# Altium PCB PCB.PcbDoc (part 2 of 2) (continued)
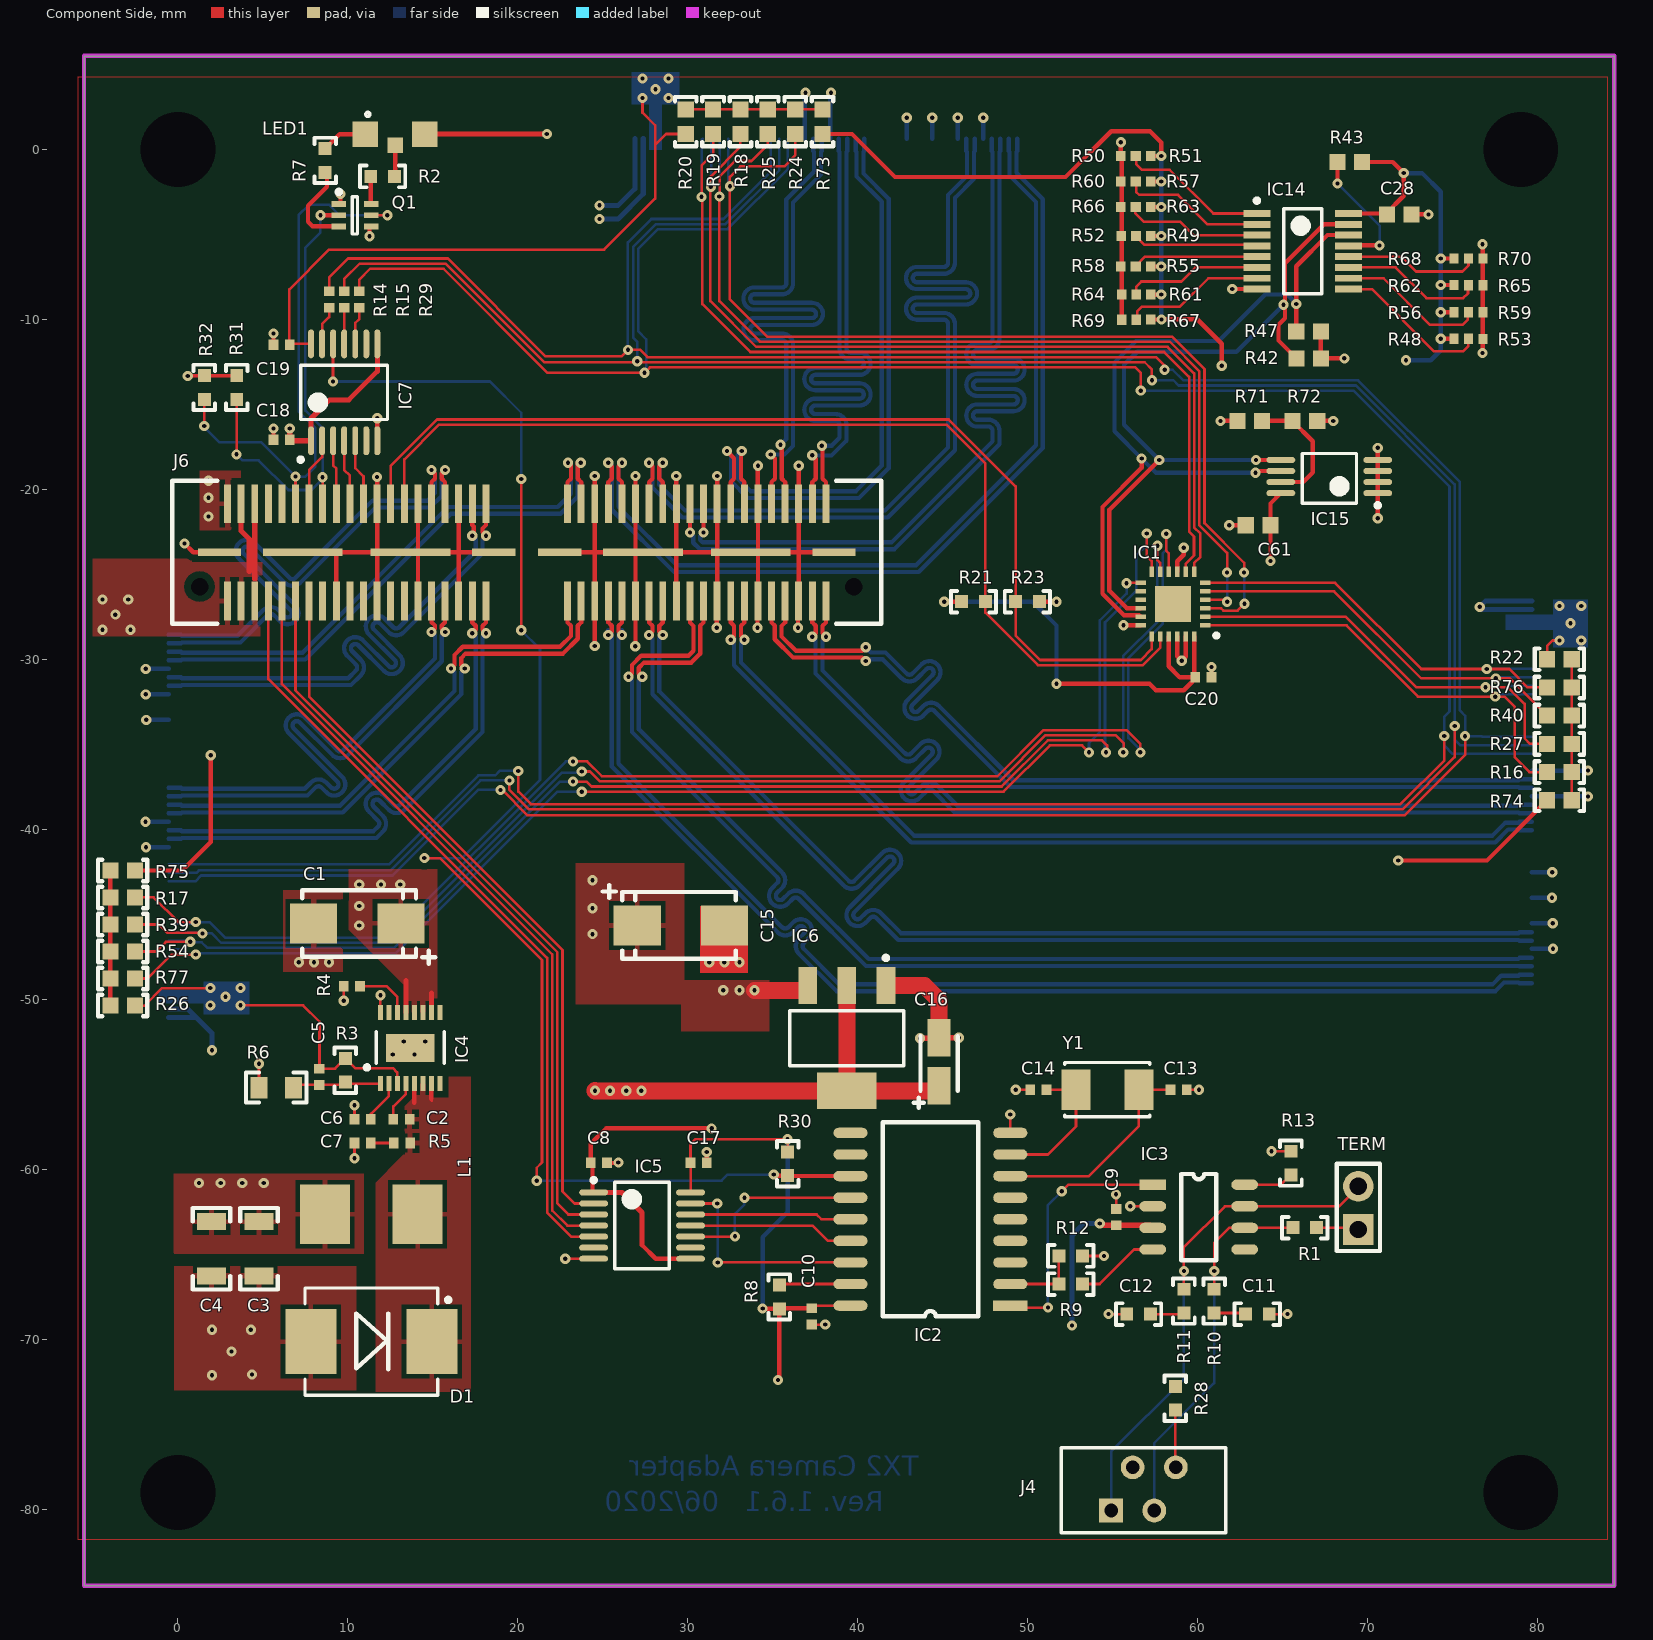
[diagram p0: Component Side view]
## Nets (pads, with @x,y where several pads share a name; then routed paths per layer and width w, separated by ;. In a path a pad name is that pad's centre, name@x,y a point inside that pad or via, vN(x,y) a via of type N, cw(c..) or ccw(c..) an arc to the next point about the centre after c; other vN are vias at no path point) (continued)
  Component Side w0.152: IC14.11@68.871,-6.934 71.63,-6.934 73.438,-8.742 75.609,-8.742 75.891,-8.46 R65.1@75.891,-7.966
P7: IC14.12 R68.1 R70.1 | length 8
  Component Side w0.152: IC14.12@68.871,-6.299 71.967,-6.299 72.839,-7.171 75.563,-7.171 75.921,-6.813 R70.1@75.921,-6.407
RXCAN: IC2.2 R9.1 R12.2 | length 4.5
  Component Side w0.152: IC2.2@48.964,-66.739 R9.1@51.821,-66.739 R12.2@51.821,-65.088
SPI2_CLK_1V8: IC5.5 J6.73 | length 46.1
  Component Side w0.152: J6.73@5.316,-26.556 5.316,-31.151 21.717,-47.552 21.717,-62.538 23.129,-63.95 IC5.5@24.455,-63.95
SPI2_CS0_1V8: IC5.2 J6.67 | length 43
  Component Side w0.152: J6.67@7.716,-26.556 7.716,-32.189 22.623,-47.096 22.623,-61.285 23.338,-62 IC5.2@24.455,-62
SPI2_CS1_1V8: J6.65
SPI2_MISO_1V8: IC5.4 J6.71 | length 45.2
  Component Side w0.152: J6.71@6.116,-26.556 6.116,-31.443 22.019,-47.346 22.019,-62.413 22.906,-63.3 IC5.4@24.455,-63.3
SPI2_MOSI_1V8: IC5.3 J6.69 | length 44.2
  Component Side w0.152: J6.69@6.916,-26.556 6.916,-31.816 22.321,-47.221 22.321,-61.999 22.972,-62.65 IC5.3@24.455,-62.65
SPI_CS_3V3: IC2.16 IC5.13 | length 12.8
  Component Side w0.152: IC5.13@30.155,-62 v1(31.72,-62) ; v1(31.76,-65.469) IC2.16@39.566,-65.469
  Solder Side w0.152: v1(31.76,-65.469) v1@31.76,-62.04
SPI_INT_1V8: IC7.3 J6.64 | length 3.8
  Component Side w0.152: IC7.3@9.129,-17.128 9.129,-18.581 9.316,-18.768 J6.64@9.316,-20.826
SPI_INT_3V3: IC2.12 IC7.12 R30.1 | length 86.1
  Component Side w0.152: v1(9.119,-13.643) 9.119,-11.438 IC7.12@9.129,-11.428 ; v1(14.496,-41.682) 15.42,-41.682 21.415,-47.677 21.415,-59.592 21.107,-59.899 v1(21.107,-60.658) ; v1(20.196,-28.282) v1(20.196,-19.382)
  Component Side w0.254: v1(35.052,-60.303) 34.989,-60.366 R30.1@35.865,-60.366 35.888,-60.389 IC2.12@39.566,-60.389
  Solder Side w0.152: v1(9.119,-13.643) 18.357,-13.643 20.196,-15.482 v1(20.196,-19.382) ; v1(14.496,-41.682) 16.7,-41.682 21.296,-37.086 21.296,-29.382 v1(20.196,-28.282) ; v1(21.107,-60.658) 31.986,-60.658 32.341,-60.303 v1(35.052,-60.303)
SPI_MISO_3V3: IC2.15 IC5.11 | length 9.8
  Component Side w0.152: IC5.11@30.155,-63.3 37.338,-63.3 38.237,-64.199 IC2.15@39.566,-64.199
SPI_MOSI_3V3: IC2.14 IC5.12 | length 9.5
  Component Side w0.152: IC5.12@30.155,-62.65 37.577,-62.65 37.856,-62.929 IC2.14@39.566,-62.929
SPI_SCK_3V3: IC2.13 IC5.10 | length 11.4
  Component Side w0.152: IC5.10@30.155,-63.95 32.751,-63.95 v1(32.766,-63.935) ; v1(33.325,-61.659) IC2.13@39.566,-61.659
  Solder Side w0.152: v1(32.766,-63.935) 32.766,-62.614 33.325,-62.055 v1(33.325,-61.659)
TXCAN: IC2.1 IC3.1 | length 15
  Component Side w0.152: IC2.1@48.964,-68.009 49.081,-68.126 v1(51.181,-68.126) ; v1(51.996,-61.282) 52.381,-60.897 IC3.1@57.346,-60.897
  Solder Side w0.152: v1(51.181,-68.126) 51.181,-62.097 v1(51.996,-61.282)
VIN_MOD: C1.1 C15.1 IC4.13 IC4.VIN IC6.3 J6.75 J6.76 J6.77 J6.78 J6.79 | length 14.9
  Component Side w0.3: J6.78@3.716,-20.826 3.716,-22.439 4.191,-22.914 4.191,-24.819 ; 4.516,-25.271 J6.76@4.516,-20.826 ; IC4.13@13.408,-50.758 13.408,-48.895 ; IC4.VIN@14.908,-50.758 14.908,-49.633
  Component Side w1: v1(33.922,-49.457) 36.768,-49.457 IC6.3@37.048,-49.177
  other v1: 32.08,-49.457 33.033,-49.457 24.384,-46.155 10.668,-45.647 24.384,-44.631 10.668,-44.504 10.668,-43.234 11.938,-43.234 13.081,-43.234 24.384,-42.98 -4.445,-28.248 -2.794,-28.248 -3.683,-27.359 -4.445,-26.47 -2.921,-26.47
pads on no net: IC1.0 IC1.14 IC1.15 IC2.3 IC2.4 IC2.5 IC2.6 IC2.10 IC2.11 IC3.5 IC4.8 IC4.9 IC4.15 IC5.6 IC5.9 IC7.6 IC7.9 J1.1 J1.2 J1.3 J1.4 J1.13 J1.14 J1.16 J1.17 J1.19 J1.20 J1.21 J1.22 J1.31 J1.35 J1.36 J1.37 J1.38 J1.43 J1.44 J1.45 J1.46 J1.M J2.1 J2.2 J2.3 J2.4 J2.13 J2.14 J2.16 J2.17 J2.19 J2.20 J2.21 J2.22 J2.31 J2.35 J2.36 J2.37 J2.38 J2.43 J2.44 J2.45 J2.46 J2.M J3.1 J3.2 J3.3 J3.4 J3.13 J3.14 J3.16 J3.17 J3.18 J3.19 J3.20 J3.21 J3.22 J3.31 J3.35 J3.36 J3.37 J3.38 J3.43 J3.44 J3.45 J3.46 J3.M J6.0 J6.72 J6.74 SP1.1 SP2.1 SP3.1 SP4.1

## Polygon pours and split planes (outlines as drawn)
GND on Component Side "Top Layer-No Net" (solid, shelved, pour order 6): 84.1,4.254 -5.9,4.254 -5.9,-81.746 84.1,-81.746
GND on Solder Side "Top Layer-No Net" (solid, shelved, pour order 8): 84.1,4.254 -5.9,4.254 -5.9,-81.746 84.1,-81.746
1V8 on Component Side "Bottom Layer-No Net" (solid, pour order 17): 1.296,-22.382 3.696,-22.382 3.696,-18.782 3.696,-18.882 1.296,-18.882
GND on Component Side "Bottom Layer-No Net" (solid, pour order 15): 6.196,-43.582 9.696,-43.582 9.696,-48.382 6.196,-48.382
GND on Component Side "Bottom Layer-No Net" (solid, pour order 13): -0.204,-65.682 10.496,-65.682 10.496,-72.782 10.496,-72.982 -0.204,-72.982
VIN_MOD on Component Side "Bottom Layer-No Net" (solid, pour order 11): 23.396,-41.982 29.796,-41.982 29.796,-48.982 29.796,-48.882 34.796,-48.882 34.796,-51.882 29.596,-51.882 29.596,-50.282 23.396,-50.282
VIN_MOD on Component Side "Top Layer-No Net" (solid, pour order 12): 4.953,-24.057 -5.9,-24.057 -5.9,-28.629 4.826,-28.629 4.953,-28.502
3V3 on Component Side "Top Layer-No Net" (solid, pour order 31): -0.254,-60.252 10.922,-60.252 10.922,-64.951 -0.215,-64.951 -0.254,-64.912
VIN_MOD on Component Side "Top Layer-No Net" (solid, pour order 19): 10.033,-42.345 15.24,-42.345 15.24,-51.235 13.335,-51.235 13.335,-49.203 10.033,-45.901
NetC2_1 on Component Side "Top Layer-No Net" (solid, pour order 8): 13.785,-54.547 17.214,-54.547 17.214,-73.089 11.626,-73.089 11.626,-60.77 13.023,-59.373 13.277,-59.119 13.277,-54.547
no net on Solder Side "AntmicroLogo" (solid, pour order 45): 32.642,-76.366 32.642,-74.38 32.33,-74.272 31.927,-74.232 31.814,-74.236 31.744,-74.243 31.822,-74.5 31.923,-74.474 32.036,-74.465 32.175,-74.478 32.3,-74.52 32.3,-76.366
no net on Solder Side "AntmicroLogo" (solid, pour order 41): 34.278,-75.924 34.346,-75.738 34.388,-75.529 34.402,-75.298 34.387,-75.067 34.345,-74.858 34.277,-74.673 34.183,-74.515 34.067,-74.387 33.928,-74.293 33.768,-74.234 33.589,-74.213 33.323,-74.249 33.119,-74.349 33.2,-74.552 33.269,-74.509 33.349,-74.476 33.438,-74.454 33.531,-74.446 33.753,-74.51 33.916,-74.687 34.017,-74.955 34.051,-75.29 34.017,-75.623 33.915,-75.892 33.752,-76.072 33.531,-76.138 33.439,-76.13 33.351,-76.11 33.272,-76.079 33.204,-76.037 33.119,-76.25 33.323,-76.35 33.589,-76.386 33.769,-76.366 33.929,-76.306 34.068,-76.211 34.185,-76.083
no net on Solder Side "AntmicroLogo" (solid, pour order 38): 35.164,-76.366 34.822,-76.366 34.822,-74.271 35.164,-74.271
no net on Solder Side "AntmicroLogo" (solid, pour order 34): 39.447,-76.215 39.55,-76.05 39.586,-75.821 39.586,-74.449 39.827,-74.449 39.827,-74.235 39.586,-74.235 39.586,-73.753 39.244,-73.648 39.244,-74.235 38.878,-74.235 38.878,-74.449 39.244,-74.449 39.244,-75.821 39.227,-75.943 39.178,-76.035 39.096,-76.093 38.983,-76.113 38.878,-76.097 38.878,-76.315 38.971,-76.341 39.084,-76.35 39.289,-76.316
no net on Solder Side "AntmicroLogo" (solid, pour order 33): 41.405,-76.366 41.405,-74.52 41.233,-74.467 41.035,-74.449 40.818,-74.479 40.672,-74.567 40.59,-74.714 40.565,-74.92 40.565,-76.366 40.223,-76.366 40.223,-74.92 40.271,-74.625 40.418,-74.41 40.671,-74.277 41.035,-74.232 41.416,-74.272 41.747,-74.38 41.747,-76.366
no net on Solder Side "AntmicroLogo" (solid, pour order 32): 43.606,-76.012 43.66,-75.737 43.637,-75.562 43.571,-75.413 43.467,-75.29 43.326,-75.189 43.154,-75.109 42.954,-75.048 42.73,-75.002 42.486,-74.971 42.486,-74.843 42.493,-74.742 42.515,-74.657 42.55,-74.585 42.6,-74.527 42.663,-74.483 42.74,-74.452 42.83,-74.433 42.933,-74.427 43.21,-74.464 43.458,-74.559 43.539,-74.35 43.239,-74.24 42.902,-74.198 42.595,-74.238 42.364,-74.363 42.218,-74.575 42.167,-74.878 42.167,-76.223 42.472,-76.331 42.863,-76.371 43.199,-76.33 43.449,-76.21
no net on Solder Side "AntmicroLogo" (solid, pour order 36): 37.968,-76.369 cw(c37.968,-76.366) 37.965,-76.366 37.965,-74.522 37.787,-74.468 37.575,-74.452 37.468,-74.46 37.376,-74.481 37.3,-74.515 37.24,-74.561 37.193,-74.619 37.161,-74.687 37.142,-74.764 37.136,-74.85 37.136,-76.366 cw(c37.132,-76.366) 37.132,-76.369 36.794,-76.369 cw(c36.794,-76.366) 36.791,-76.366 36.791,-74.649 36.71,-74.568 36.615,-74.506 36.507,-74.466 36.386,-74.452 36.28,-74.461 36.19,-74.484 36.116,-74.523 36.057,-74.575 36.013,-74.64 35.982,-74.718 35.964,-74.806 35.958,-74.905 35.958,-74.904 35.958,-76.366 cw(c35.954,-76.366) 35.954,-76.369 35.616,-76.369 cw(c35.616,-76.366) 35.613,-76.366 35.613,-74.908 cw(c35.616,-74.908) 35.613,-74.908 35.656,-74.633 cw(c35.659,-74.634) 35.657,-74.632 cw(c35.66,-74.634) 35.657,-74.632 35.79,-74.418 cw(c35.793,-74.42) 35.79,-74.418 cw(c35.793,-74.42) 35.791,-74.417 cw(c35.793,-74.42) 35.791,-74.417 36.021,-74.279 ccw(c36.023,-74.281) 36.021,-74.279 cw(c36.023,-74.281) 36.022,-74.278 36.354,-74.229 cw(c36.355,-74.232) 36.355,-74.229 cw(c36.355,-74.232) 36.355,-74.229 36.535,-74.246 ccw(c36.534,-74.249) 36.535,-74.246 cw(c36.534,-74.249) 36.535,-74.246 36.698,-74.294 cw(c36.697,-74.297) 36.698,-74.295 36.841,-74.372 cw(c36.839,-74.374) 36.841,-74.372 cw(c36.839,-74.374) 36.841,-74.372 36.957,-74.472 37.067,-74.369 ccw(c37.069,-74.371) 37.067,-74.369 cw(c37.069,-74.371) 37.067,-74.368 cw(c37.069,-74.371) 37.067,-74.368 ccw(c37.069,-74.371) 37.067,-74.369 37.067,-74.368 37.204,-74.292 cw(c37.205,-74.295) 37.204,-74.292 cw(c37.205,-74.295) 37.204,-74.292 37.374,-74.245 cw(c37.375,-74.248) 37.375,-74.245 cw(c37.375,-74.248) 37.375,-74.245 37.587,-74.229 ccw(c37.587,-74.232) 37.587,-74.229 cw(c37.587,-74.232) 37.588,-74.229 37.978,-74.269 cw(c37.977,-74.272) 37.978,-74.269 38.307,-74.376 cw(c38.306,-74.379) 38.31,-74.379 38.31,-76.366 cw(c38.306,-76.366) 38.306,-76.369 37.968,-76.369 ccw(c108.833,-64.865)
no net on Solder Side "AntmicroLogo" (solid, pour order 46): 31.374,-75.909 31.285,-76.068 31.17,-76.198 31.027,-76.295 30.857,-76.355 30.658,-76.376 30.46,-76.355 30.289,-76.295 30.147,-76.198 30.031,-76.068 29.942,-75.909 29.88,-75.724 29.842,-75.515 29.83,-75.288 29.842,-75.061 29.88,-74.854 29.942,-74.67 30.031,-74.511 30.147,-74.381 30.289,-74.285 30.46,-74.224 30.658,-74.203 30.857,-74.224 31.027,-74.285 31.17,-74.381 31.285,-74.511 31.374,-74.67 31.437,-74.854 31.474,-75.061 31.486,-75.288 31.474,-75.515 31.437,-75.724
no net on Solder Side "AntmicroLogo" (solid, pour order 48): 319 vertices, not listed, extent 44.133,-78.189 49.383,-72.175
no net on Solder Side "AntmicroLogo" (solid, pour order 47): 205 vertices, not listed, extent 45.799,-76.414 118.48,-64.204
no net on Bottom Solder "AntmicroLogo" (solid, pour order 2): 43.607,-76.01 43.66,-75.736 43.638,-75.56 43.572,-75.412 43.467,-75.289 43.327,-75.188 43.155,-75.108 42.955,-75.047 42.731,-75.001 42.487,-74.97 42.487,-74.842 42.494,-74.741 42.515,-74.655 42.551,-74.584 42.601,-74.526 42.664,-74.482 42.741,-74.45 42.831,-74.432 42.934,-74.426 43.211,-74.463 43.458,-74.558 43.54,-74.348 43.24,-74.239 42.902,-74.197 42.596,-74.237 42.364,-74.362 42.218,-74.574 42.168,-74.877 42.168,-76.222 42.473,-76.329 42.864,-76.37 43.2,-76.329 43.45,-76.209
no net on Bottom Solder "AntmicroLogo" (solid, pour order 18): 205 vertices, not listed, extent 45.799,-76.414 118.479,-64.205
no net on Bottom Solder "AntmicroLogo" (solid, pour order 34): 319 vertices, not listed, extent 44.133,-78.189 49.383,-72.175
no net on Bottom Solder "AntmicroLogo" (solid, pour order 16): 29.947,-75.91 30.035,-76.07 30.151,-76.199 30.293,-76.296 30.464,-76.357 30.662,-76.378 30.861,-76.357 31.031,-76.296 31.174,-76.199 31.289,-76.07 31.378,-75.91 31.441,-75.725 31.478,-75.517 31.49,-75.289 31.478,-75.063 31.441,-74.856 31.378,-74.671 31.289,-74.512 31.174,-74.383 31.031,-74.286 30.861,-74.226 30.662,-74.205 30.464,-74.226 30.293,-74.286 30.151,-74.383 30.035,-74.512 29.947,-74.671 29.884,-74.856 29.846,-75.063 29.834,-75.289 29.846,-75.517 29.884,-75.725
no net on Bottom Solder "AntmicroLogo" (solid, pour order 8): 37.969,-76.368 cw(c37.969,-76.365) 37.966,-76.365 37.966,-74.521 37.788,-74.467 37.576,-74.451 37.468,-74.458 37.377,-74.48 37.301,-74.514 37.24,-74.56 37.194,-74.618 37.162,-74.686 37.143,-74.763 37.136,-74.849 37.136,-76.365 cw(c37.133,-76.365) 37.133,-76.368 36.795,-76.368 cw(c36.795,-76.365) 36.792,-76.365 36.792,-74.648 36.711,-74.567 36.616,-74.505 36.508,-74.465 36.387,-74.451 36.281,-74.459 36.191,-74.483 36.117,-74.522 36.058,-74.574 36.014,-74.639 35.983,-74.717 35.964,-74.805 35.958,-74.903 35.958,-76.365 cw(c35.955,-76.365) 35.955,-76.368 35.617,-76.368 cw(c35.617,-76.365) 35.614,-76.365 35.614,-74.907 cw(c35.617,-74.907) 35.614,-74.907 35.657,-74.632 cw(c35.66,-74.632) 35.658,-74.631 cw(c35.66,-74.632) 35.658,-74.631 35.791,-74.417 cw(c35.794,-74.419) 35.791,-74.417 cw(c35.794,-74.419) 35.792,-74.416 cw(c35.794,-74.419) 35.792,-74.416 36.022,-74.277 ccw(c36.024,-74.28) 36.022,-74.277 cw(c36.024,-74.28) 36.023,-74.277 36.355,-74.228 cw(c36.356,-74.231) 36.356,-74.228 cw(c36.356,-74.231) 36.356,-74.228 36.535,-74.245 ccw(c36.535,-74.248) 36.535,-74.245 cw(c36.535,-74.248) 36.536,-74.245 36.699,-74.293 cw(c36.698,-74.296) 36.699,-74.293 36.842,-74.37 cw(c36.84,-74.373) 36.842,-74.371 cw(c36.84,-74.373) 36.842,-74.371 36.958,-74.471 37.068,-74.368 ccw(c37.07,-74.37) 37.068,-74.368 cw(c37.07,-74.37) 37.068,-74.367 cw(c37.07,-74.37) 37.068,-74.367 ccw(c37.07,-74.37) 37.068,-74.368 37.068,-74.367 37.205,-74.291 cw(c37.206,-74.293) 37.205,-74.291 cw(c37.206,-74.293) 37.205,-74.29 37.375,-74.244 cw(c37.376,-74.247) 37.376,-74.243 cw(c37.376,-74.247) 37.376,-74.243 37.588,-74.228 ccw(c37.588,-74.231) 37.588,-74.228 cw(c37.588,-74.231) 37.588,-74.228 37.979,-74.268 cw(c37.978,-74.271) 37.979,-74.268 38.308,-74.375 cw(c38.307,-74.378) 38.31,-74.378 38.31,-76.365 cw(c38.307,-76.365) 38.307,-76.368 37.969,-76.368 ccw(c108.833,-64.865)
no net on Bottom Solder "AntmicroLogo" (solid, pour order 4): 41.406,-76.365 41.406,-74.518 41.234,-74.466 41.036,-74.448 40.818,-74.477 40.673,-74.565 40.591,-74.712 40.566,-74.919 40.566,-76.365 40.224,-76.365 40.224,-74.919 40.271,-74.624 40.419,-74.409 40.672,-74.276 41.036,-74.231 41.417,-74.271 41.748,-74.378 41.748,-76.365
no net on Bottom Solder "AntmicroLogo" (solid, pour order 6): 39.448,-76.214 39.55,-76.048 39.587,-75.82 39.587,-74.448 39.828,-74.448 39.828,-74.234 39.587,-74.234 39.587,-73.752 39.245,-73.647 39.245,-74.234 38.879,-74.234 38.879,-74.448 39.245,-74.448 39.245,-75.82 39.228,-75.942 39.179,-76.034 39.097,-76.092 38.984,-76.111 38.879,-76.096 38.879,-76.314 38.972,-76.34 39.085,-76.349 39.29,-76.315
no net on Bottom Solder "AntmicroLogo" (solid, pour order 10): 35.165,-76.365 34.823,-76.365 34.823,-74.27 35.165,-74.27
no net on Bottom Solder "AntmicroLogo" (solid, pour order 12): 34.279,-75.923 34.347,-75.737 34.388,-75.528 34.402,-75.297 34.388,-75.066 34.346,-74.857 34.278,-74.672 34.184,-74.514 34.067,-74.386 33.928,-74.291 33.769,-74.232 33.59,-74.212 33.324,-74.248 33.119,-74.348 33.201,-74.55 33.27,-74.508 33.35,-74.474 33.439,-74.453 33.532,-74.445 33.754,-74.509 33.917,-74.686 34.018,-74.954 34.052,-75.289 34.018,-75.621 33.916,-75.891 33.753,-76.071 33.532,-76.136 33.44,-76.129 33.352,-76.109 33.273,-76.077 33.205,-76.036 33.119,-76.249 33.324,-76.349 33.59,-76.385 33.77,-76.365 33.93,-76.305 34.069,-76.21 34.186,-76.081
no net on Bottom Solder "AntmicroLogo" (solid, pour order 14): 32.643,-76.365 32.643,-74.378 32.331,-74.271 31.928,-74.231 31.815,-74.235 31.745,-74.242 31.823,-74.499 31.924,-74.473 32.037,-74.464 32.176,-74.476 32.301,-74.518 32.301,-76.365
1V8 on Power (split plane): 20.666,-10.785 20.676,-10.835 20.704,-10.877 20.746,-10.905 20.796,-10.914 73.266,-10.914 73.266,-65.953 30.325,-65.953 30.325,-47.582 30.325,-41.282 30.315,-41.232 30.287,-41.19 30.245,-41.162 30.196,-41.153 0.225,-41.153 0.225,-23.282 0.215,-23.232 0.187,-23.19 0.145,-23.162 0.096,-23.153 -4.99,-23.153 -4.99,4.99 20.666,4.99
5V0 on Power (split plane): 26.366,-6.082 26.376,-6.132 26.404,-6.174 26.446,-6.202 26.496,-6.211 78.166,-6.211 78.166,-30.482 78.166,-70.853 18.725,-70.853 18.725,-59.182 18.715,-59.132 18.687,-59.09 18.645,-59.062 18.596,-59.053 -0.575,-59.053 -0.575,-52.111 4.996,-52.111 5.045,-52.102 5.087,-52.074 5.115,-52.032 5.125,-51.982 5.125,-47.711 30.066,-47.711 30.066,-66.082 30.076,-66.132 30.104,-66.174 30.146,-66.202 30.196,-66.211 73.396,-66.211 73.445,-66.202 73.487,-66.174 73.515,-66.132 73.525,-66.082 73.525,-10.785 73.515,-10.735 73.487,-10.693 73.445,-10.665 73.396,-10.656 20.925,-10.656 20.925,4.99 26.366,4.99
VIN_MOD on Power (split plane): -0.034,-41.282 -0.024,-41.332 0.004,-41.374 0.046,-41.402 0.096,-41.411 30.066,-41.411 30.066,-47.453 -4.99,-47.453 -4.99,-23.411 -0.034,-23.411
3V3 on Power (split plane): 83.99,-83.99 -4.99,-83.99 -4.99,-47.711 4.866,-47.711 4.866,-51.853 -0.704,-51.853 -0.754,-51.862 -0.796,-51.89 -0.824,-51.932 -0.834,-51.982 -0.834,-59.182 -0.824,-59.232 -0.796,-59.274 -0.754,-59.302 -0.704,-59.311 18.466,-59.311 18.466,-70.982 18.476,-71.032 18.504,-71.074 18.546,-71.102 18.596,-71.111 78.296,-71.111 78.345,-71.102 78.387,-71.074 78.415,-71.032 78.425,-70.982 78.425,-30.482 78.425,-6.082 78.415,-6.032 78.387,-5.99 78.345,-5.962 78.296,-5.953 26.625,-5.953 26.625,4.99 83.99,4.99
GND on Ground Plane (split plane): 84.499,-84.499 -5.499,-84.499 -5.499,5.499 84.499,5.499

## Keep-outs
Keep-Out Layer:
  lines w0.254: -5.528,-84.483 84.499,-84.483 84.499,5.524 -5.528,5.524 -5.528,-84.483

## Other copper
Component Side:
  region net GND: 30.734,-44.504 33.528,-44.504 33.528,-48.441 30.734,-48.441
Solder Side:
  region net 3V3: 78.105,-27.359 80.899,-27.359 80.899,-26.47 82.931,-26.47 82.931,-29.264 80.899,-29.264 80.899,-28.248 78.105,-28.248
  region net 3V3: 27.711,-0.008 28.473,-0.008 28.473,2.659 29.489,2.659 29.489,4.564 26.695,4.564 26.695,2.659 27.711,2.659
  region net 3V3: -1.143,-49.457 1.524,-49.457 1.524,-48.949 4.191,-48.949 4.191,-50.854 1.524,-50.854 1.524,-50.219 -1.143,-50.219
  pour cut-out: 31.105,-75.776 31.138,-75.629 31.157,-75.468 31.163,-75.297 31.157,-75.126 31.138,-74.966 31.105,-74.82 31.057,-74.692 30.991,-74.586 30.907,-74.506 30.803,-74.455 30.677,-74.437 30.551,-74.455 30.447,-74.506 30.362,-74.586 30.297,-74.692 30.248,-74.82 30.215,-74.966 30.197,-75.126 30.191,-75.297 30.197,-75.468 30.215,-75.629 30.248,-75.776 30.297,-75.905 30.362,-76.012 30.447,-76.094 30.551,-76.145 30.677,-76.164 30.803,-76.145 30.907,-76.094 30.991,-76.012 31.057,-75.905
  pour cut-out: 43.258,-75.907 43.29,-75.718 43.233,-75.48 43.066,-75.313 42.8,-75.203 42.443,-75.138 42.443,-76.091 42.513,-76.12 42.597,-76.142 42.69,-76.156 42.789,-76.161 43.005,-76.131 43.162,-76.046
  pour cut-out: 45.972,-75.265 ccw(c45.972,-75.182) 46.055,-75.182 ccw(c45.972,-75.182) 45.972,-75.099 ccw(c45.972,-75.182) 45.889,-75.182 ccw(c45.972,-75.182) 45.972,-75.265 ccw(c116.837,-63.681)
  pour cut-out: 46.758,-74.356 ccw(c46.758,-74.193) 46.921,-74.193 ccw(c46.758,-74.193) 46.758,-74.03 ccw(c46.758,-74.193) 46.596,-74.193 ccw(c46.758,-74.193) 46.758,-74.356 ccw(c117.624,-62.692)
  pour cut-out: 46.758,-76.335 ccw(c46.758,-76.172) 46.921,-76.172 ccw(c46.758,-76.172) 46.758,-76.009 ccw(c46.758,-76.172) 46.596,-76.172 ccw(c46.758,-76.172) 46.758,-76.335 ccw(c117.624,-64.67)
  pour cut-out: 46.075,-74.569 ccw(c46.075,-74.486) 46.158,-74.486 ccw(c46.075,-74.486) 46.075,-74.403 ccw(c46.075,-74.486) 45.992,-74.486 ccw(c46.075,-74.486) 46.075,-74.569 ccw(c116.94,-62.985)
  pour cut-out: 47.442,-74.57 ccw(c47.442,-74.486) 47.525,-74.486 ccw(c47.442,-74.486) 47.442,-74.403 ccw(c47.442,-74.486) 47.358,-74.486 ccw(c47.442,-74.486) 47.442,-74.57 ccw(c118.307,-62.985)
  pour cut-out: 46.158,-75.878 cw(c46.075,-75.878) 46.075,-75.961 cw(c46.075,-75.878) 45.992,-75.878 cw(c46.075,-75.878) 46.075,-75.795 cw(c46.075,-75.878) 46.158,-75.878 ccw(c116.94,-64.377)
  pour cut-out: 47.545,-75.265 ccw(c47.545,-75.182) 47.628,-75.182 ccw(c47.545,-75.182) 47.545,-75.099 ccw(c47.545,-75.182) 47.462,-75.182 ccw(c47.545,-75.182) 47.545,-75.265 ccw(c118.41,-63.681)
  pour cut-out: 47.442,-75.961 ccw(c47.442,-75.878) 47.525,-75.878 ccw(c47.442,-75.878) 47.442,-75.795 ccw(c47.442,-75.878) 47.358,-75.878 ccw(c47.442,-75.878) 47.442,-75.961 ccw(c118.307,-64.377)
  text "TX2 Camera Adapter" at 43.585,-78.417 h2.03
  text "Rev. 1.6.1   06/2020" at 41.53,-80.525 h2.03
Power (plane layer: these items are gaps in the copper):
  lines w0.254: -5.9,-47.582 4.996,-47.582 4.996,-51.982 -0.704,-51.982 -0.704,-59.182 18.596,-59.182 18.596,-70.982 78.296,-70.982 78.296,-30.482 78.296,-6.082 26.496,-6.082 26.496,5.42 ; -5.9,-23.282 0.096,-23.282 0.096,-41.282 30.196,-41.282 30.196,-47.582 ; 4.796,-47.582 30.196,-47.582 ; 20.796,5.507 20.796,-10.785 73.396,-10.785 73.396,-66.082 30.196,-66.082 30.196,-47.582

## Silkscreen, mask and mechanical layers (free items; w line width, h text height)
Bottom Solder:
  pour cut-out: 31.109,-75.777 31.142,-75.63 31.16,-75.469 31.166,-75.298 31.16,-75.127 31.142,-74.966 31.109,-74.82 31.06,-74.693 30.994,-74.587 30.91,-74.507 30.806,-74.456 30.68,-74.438 30.554,-74.456 30.45,-74.507 30.365,-74.587 30.3,-74.693 30.251,-74.82 30.219,-74.966 30.2,-75.127 30.194,-75.298 30.2,-75.469 30.219,-75.63 30.251,-75.777 30.3,-75.906 30.365,-76.013 30.45,-76.094 30.554,-76.146 30.68,-76.164 30.806,-76.146 30.91,-76.094 30.994,-76.013 31.06,-75.906
  pour cut-out: 43.258,-75.907 43.29,-75.718 43.233,-75.48 43.066,-75.313 42.8,-75.203 42.443,-75.138 42.443,-76.091 42.513,-76.12 42.597,-76.142 42.69,-76.156 42.789,-76.161 43.005,-76.131 43.162,-76.046
  pour cut-out: 46.758,-76.335 ccw(c46.758,-76.172) 46.921,-76.172 ccw(c46.758,-76.172) 46.758,-76.009 ccw(c46.758,-76.172) 46.596,-76.172 ccw(c46.758,-76.172) 46.758,-76.335 ccw(c117.623,-64.672)
  pour cut-out: 47.442,-75.961 ccw(c47.442,-75.878) 47.525,-75.878 ccw(c47.442,-75.878) 47.442,-75.795 ccw(c47.442,-75.878) 47.358,-75.878 ccw(c47.442,-75.878) 47.442,-75.961 ccw(c118.306,-64.378)
  pour cut-out: 47.442,-74.57 ccw(c47.442,-74.486) 47.525,-74.486 ccw(c47.442,-74.486) 47.442,-74.403 ccw(c47.442,-74.486) 47.358,-74.486 ccw(c47.442,-74.486) 47.442,-74.57 ccw(c118.306,-62.986)
  pour cut-out: 46.758,-74.356 ccw(c46.758,-74.193) 46.921,-74.193 ccw(c46.758,-74.193) 46.758,-74.03 ccw(c46.758,-74.193) 46.596,-74.193 ccw(c46.758,-74.193) 46.758,-74.356 ccw(c117.623,-62.693)
  pour cut-out: 46.075,-74.57 ccw(c46.075,-74.486) 46.158,-74.486 ccw(c46.075,-74.486) 46.075,-74.403 ccw(c46.075,-74.486) 45.992,-74.486 ccw(c46.075,-74.486) 46.075,-74.57 ccw(c116.94,-62.986)
  pour cut-out: 45.972,-75.265 ccw(c45.972,-75.182) 46.055,-75.182 ccw(c45.972,-75.182) 45.972,-75.099 ccw(c45.972,-75.182) 45.889,-75.182 ccw(c45.972,-75.182) 45.972,-75.265 ccw(c116.836,-63.682)
  pour cut-out: 47.545,-75.265 ccw(c47.545,-75.182) 47.628,-75.182 ccw(c47.545,-75.182) 47.545,-75.099 ccw(c47.545,-75.182) 47.462,-75.182 ccw(c47.545,-75.182) 47.545,-75.265 ccw(c118.409,-63.682)
  pour cut-out: 46.158,-75.878 cw(c46.075,-75.878) 46.075,-75.961 cw(c46.075,-75.878) 45.992,-75.878 cw(c46.075,-75.878) 46.075,-75.795 cw(c46.075,-75.878) 46.158,-75.878 ccw(c116.94,-64.378)
  text "TX2 Camera Adapter" at 43.585,-78.413 h2.03
  text "Rev. 1.6.1   06/2020" at 41.53,-80.522 h2.03
PCB Outline:
  the board outline again, w0.254
PCB Fab Notes:
  drawing of 347 lines, arcs and shapes, not listed
  text "PCB Stackup optimized for manufacturing at SoftCom" at 96.454,-39.515 h1.52
  text "Layer" at 97.789,-43.508 h1.52
  text "Name" at 108.201,-43.508 h1.52
  text "Material" at 132.07,-43.508 h1.52
  text "Thickness" at 153.909,-43.508 h1.52
  text "Constant" at 170.414,-43.508 h1.52
  text "Board Layer Stack" at 184.889,-43.508 h1.52
  text "1" at 97.789,-46.556 h1.52
  text "Top Paste" at 108.201,-46.556 h1.52
  text "2" at 97.789,-49.604 h1.52
  text "Top Overlay" at 108.201,-49.604 h1.52
  text "3" at 97.789,-52.652 h1.52
  text "Top Solder" at 108.201,-52.652 h1.52
  text "Solder Resist" at 132.07,-52.652 h1.52
  text "0.010mm" at 153.909,-52.652 h1.52
  text "3.5" at 170.414,-52.652 h1.52
  text "4" at 97.789,-55.7 h1.52
  text "Component Side" at 108.201,-55.7 h1.52
  text "Copper" at 132.07,-55.7 h1.52
  text "0.035mm" at 153.909,-55.7 h1.52
  text "5" at 97.789,-58.748 h1.52
  text "Dielectric 1" at 108.201,-58.748 h1.52
  text "0.220mm" at 153.909,-58.748 h1.52
  text "4.29" at 170.414,-58.748 h1.52
  text "6" at 97.789,-61.796 h1.52
  text "Power" at 108.201,-61.796 h1.52
  text "Copper" at 132.07,-61.796 h1.52
  text "0.035mm" at 153.909,-61.796 h1.52
  text "7" at 97.789,-64.844 h1.52
  text "Dielectric 4" at 108.201,-64.844 h1.52
  text "0.894mm" at 153.909,-64.844 h1.52
  text "3.96" at 170.414,-64.844 h1.52
  text "8" at 97.789,-67.892 h1.52
  text "Ground Plane" at 108.201,-67.892 h1.52
  text "Copper" at 132.07,-67.892 h1.52
  text "0.035mm" at 153.909,-67.892 h1.52
  text "9" at 97.789,-70.94 h1.52
  text "Dielectric 3" at 108.201,-70.94 h1.52
  text "0.220mm" at 153.909,-70.94 h1.52
  text "4.29" at 170.414,-70.94 h1.52
  text "10" at 97.789,-73.988 h1.52
  text "Solder Side" at 108.201,-73.988 h1.52
  text "Copper" at 132.07,-73.988 h1.52
  text "0.035mm" at 153.909,-73.988 h1.52
  text "11" at 97.789,-77.036 h1.52
  text "Bottom Solder" at 108.201,-77.036 h1.52
  text "Solder Resist" at 132.07,-77.036 h1.52
  text "0.010mm" at 153.909,-77.036 h1.52
  text "3.5" at 170.414,-77.036 h1.52
  text "12" at 97.789,-80.084 h1.52
  text "Bottom Overlay" at 108.201,-80.084 h1.52
  text "13" at 97.789,-83.132 h1.52
  text "Bottom Paste" at 108.201,-83.132 h1.52

## Text inside footprints (layer, text, board x,y; h text height)
J1: Bottom Overlay "50" at 24.647,0.871 h0.76 r180; Bottom Overlay "1" at 52.206,0.871 h0.76 r180
J2: Bottom Overlay "50" at 79.871,-24.321 h0.76 r90; Bottom Overlay "1" at 79.871,-51.88 h0.76 r90
J3: Bottom Overlay "50" at -0.778,-53.277 h0.76 r270; Bottom Overlay "1" at -0.778,-25.718 h0.76 r270